# KiCad board JumperlessV5r8.kicad_pcb (continued)
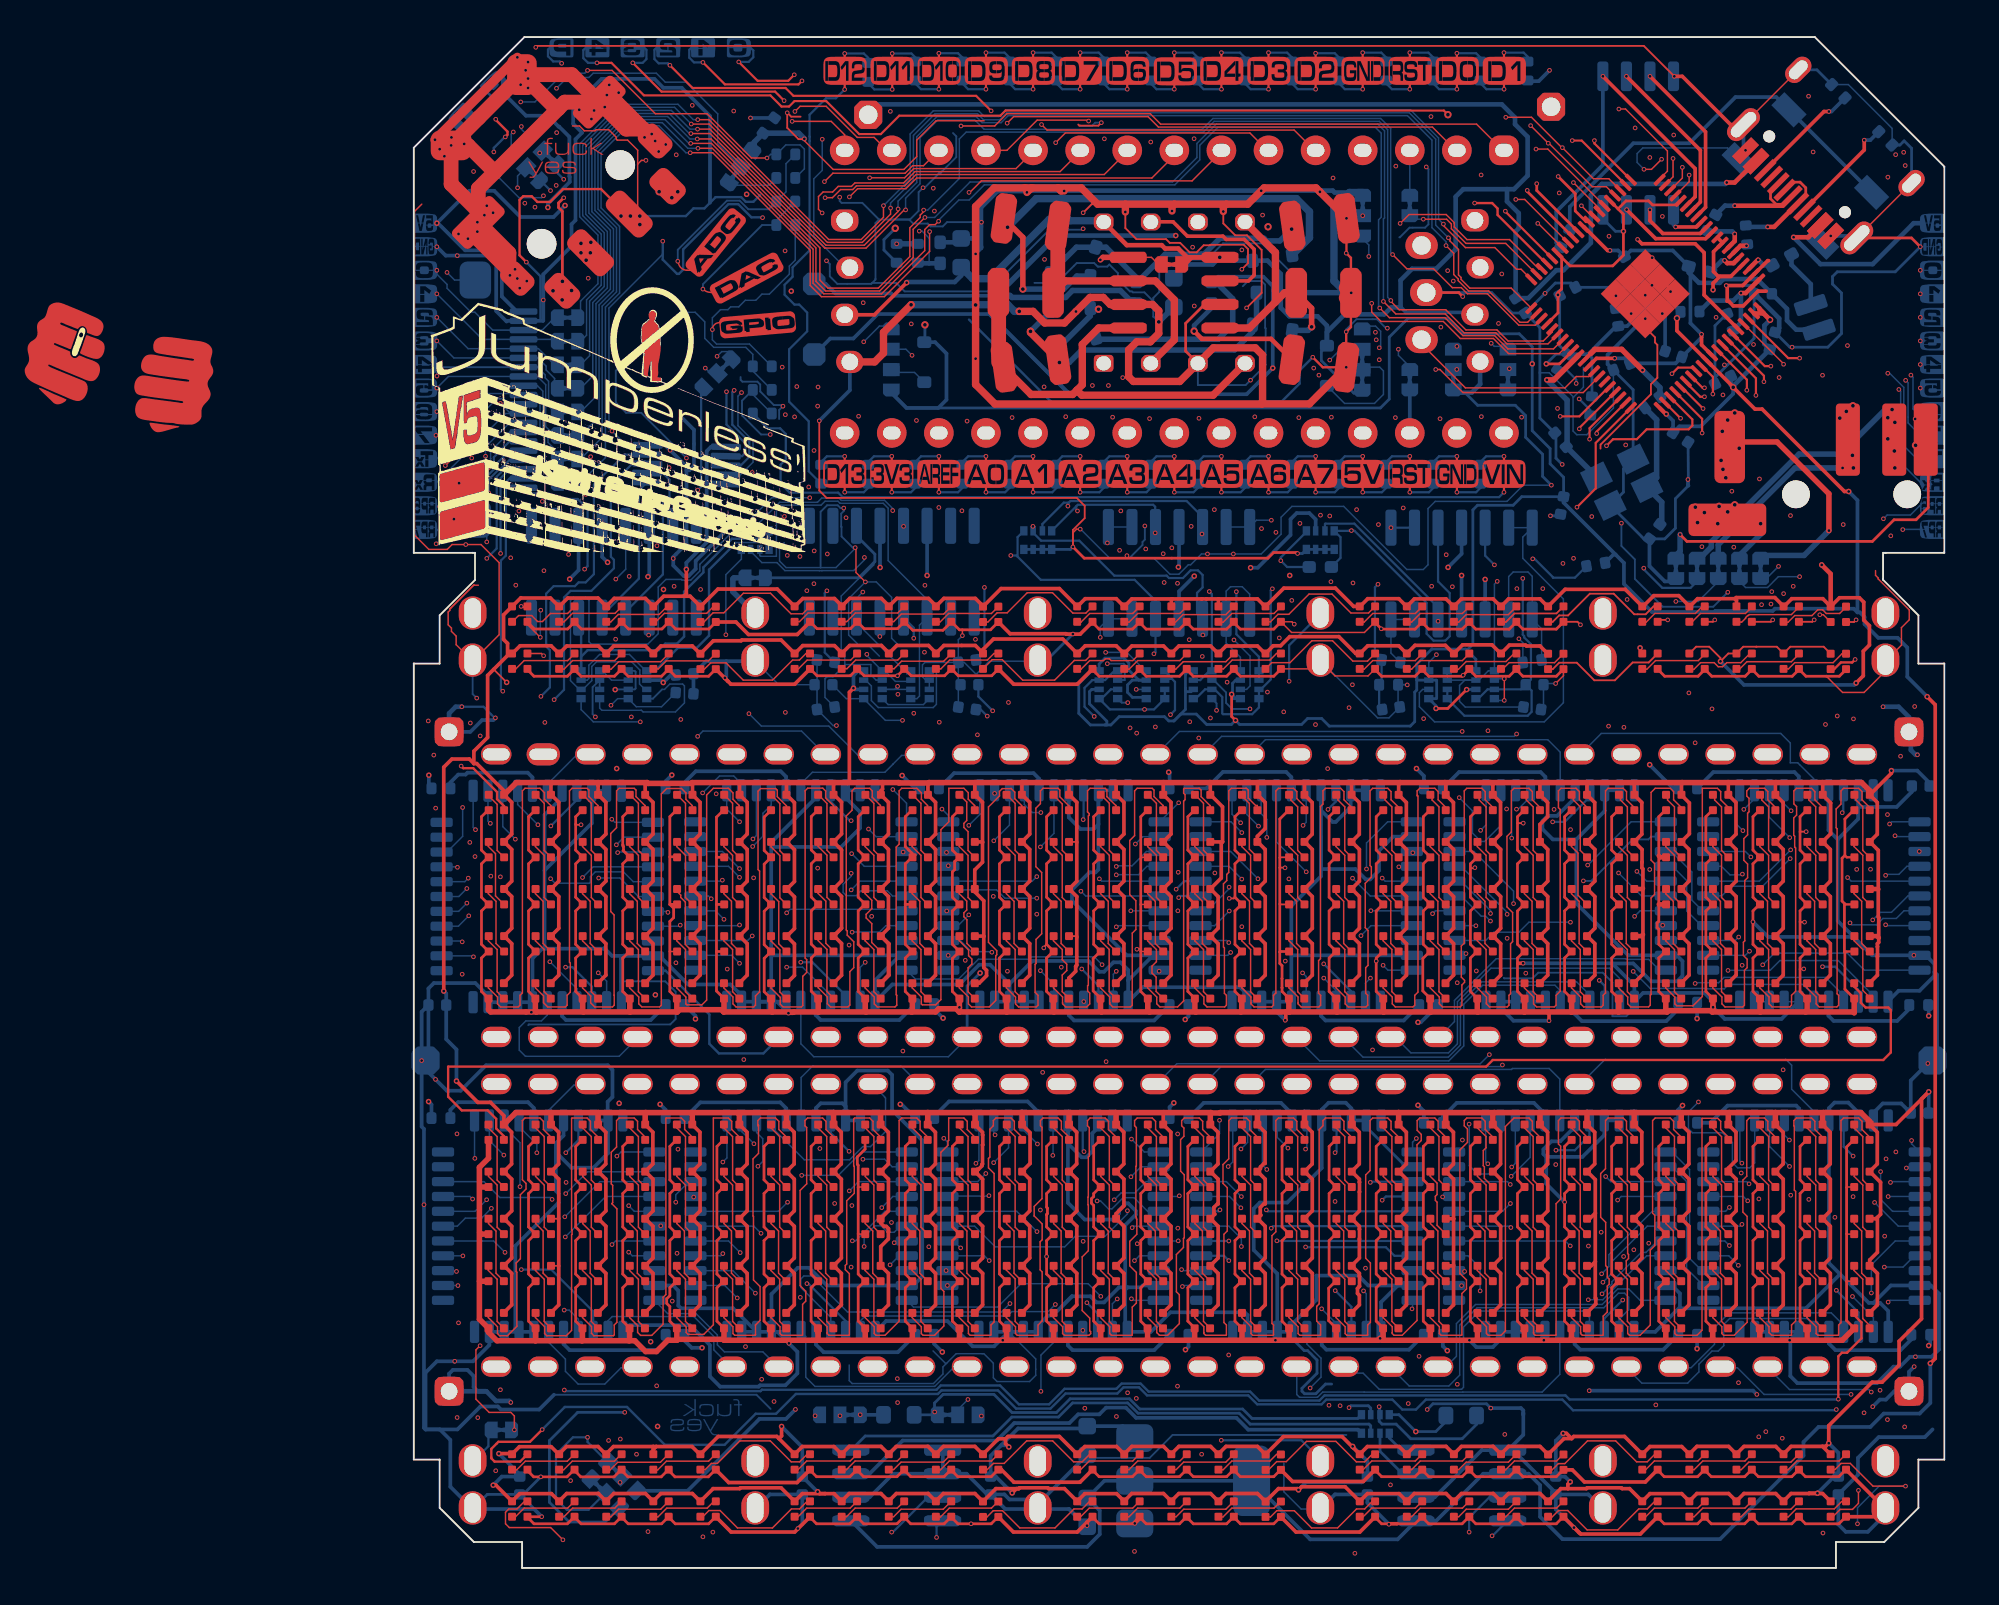
[diagram p0: board, top side]
## Routing (per net, layer and track width the routed paths; a pad name or vN(x,y) marks a point on that pad's centre or on a via; arc(x,y) is an arc through that point) (continued)
Net-(D1641-DOUT): length 3.7
  Top w0.08: 20.57,48.49 20.75,48.49 21.22,48.96 23.56,48.96 23.92,49.31
Net-(D1642-DOUT): length 3.7
  Top w0.08: 26.46,49.31 26.1,48.96 23.83,48.96 23.36,48.49 23.1,48.49 23.09,48.48
Net-(D1643-DOUT): length 3.7
  Top w0.08: 29,49.31 28.58,48.9 26.31,48.9 25.9,48.49 25.64,48.49 25.63,48.48
Net-(D1644-DOUT): length 3.7
  Top w0.08: D1645.4 31.29,49.31 30.94,48.96 28.9,48.96 28.43,48.48 D1644.1
Net-(D1645-DOUT): length 7.2
  Top w0.08: D1645.1 31.2,48.98 31.74,48.98 32.84,47.88 34.57,47.88 35.63,48.94 36.24,48.94 D1646.4
Net-(D1646-DOUT): length 3.8
  Top w0.08: 39.13,49.28 38.78,48.93 37.61,48.93 37.52,49.02 37.3,49.02 37.2,48.93 36.45,48.93 35.99,48.46 35.78,48.46
Net-(D1647-DOUT): length 3.7
  Top w0.08: 38.3,48.45 38.31,48.46 38.58,48.46 39.04,48.93 41.32,48.93 41.67,49.28
Net-(D1648-DOUT): length 3.7
  Top w0.08: 44.21,49.28 43.8,48.87 41.5,48.87 41.1,48.46 40.85,48.46 40.84,48.45
Net-(D1649-DOUT): length 3.7
  Top w0.08: D1650.4 46.53,49.31 46.18,48.96 44.14,48.96 43.67,48.48 D1649.1
Net-(D1650-DOUT): length 7.2
  Top w0.08: D1650.1 46.28,48.82 47.26,48.82 48.44,49.99 49.56,49.99 50.65,48.9 51.44,48.9 D1651.4
Net-(D1651-DOUT): length 3.7
  Top w0.08: 54.37,49.28 54.02,48.93 51.72,48.93 51.26,48.46 51.02,48.46
Net-(D1652-DOUT): length 3.7
  Top w0.08: 56.91,49.28 56.56,48.93 54.28,48.93 53.82,48.46 53.55,48.46 53.54,48.45
Net-(D1653-DOUT): length 3.7
  Top w0.08: 56.08,48.45 56.34,48.45 56.76,48.88 58.91,48.88 59.32,49.28 59.45,49.28
Net-(D1654-DOUT): length 3.7
  Top w0.08: D1655.4 61.53,48.82 59.08,48.82 58.74,48.48 D1654.1
Net-(D1655-DOUT): length 7
  Top w0.1: D1656.4 66.61,48.83 65.74,48.83 64.78,47.87 63.67,47.87 62.73,48.81 61.78,48.81 61.43,48.47 D1655.1
Net-(D1656-DOUT): length 3.7
  Top w0.08: 66.29,48.46 66.51,48.46 66.97,48.93 69.28,48.93 69.64,49.28
Net-(D1657-DOUT): length 3.9
  Top w0.08: 68.81,48.45 69.04,48.45 69.4,48.82 70.14,48.82 70.36,48.6 70.6,48.6 70.82,48.82 71.57,48.82 72.04,49.28 72.18,49.28
Net-(D1658-DOUT): length 3.7
  Top w0.08: 74.72,49.28 74.3,48.87 71.91,48.87 71.5,48.46 71.36,48.46 71.35,48.45
Net-(D1659-DOUT): length 3.7
  Top w0.08: D1660.4 77.04,49.3 76.55,48.82 74.48,48.82 74.15,48.48 D1659.1
Net-(D1660-DOUT): length 124.6
  Top w0.08: 5.96,6.12 6.11,6.12 ; D1711.4 5.97,6.13
  Top w0.13: v1(6.93,7.46) 6.27,6.8 4.57,6.8 4.18,6.42 4.18,5.91 4.36,5.73 5.73,5.73 D1711.4 ; v1(77.74,48.99) 77.58,48.83 76.97,48.83 76.61,48.47 D1660.1
  In2.Cu w0.13: v1(77.74,48.99) 77.08,48.33 77.08,42.31 77.44,41.95 77.44,37.58 77.62,37.4 77.62,35.04 77.74,34.93 77.74,30.31 77.06,29.63 77.06,24.98 77.92,24.12 77.92,19.73 77.01,18.82 77.01,12.02 76.73,11.74 76.73,9.89 77.14,9.49 77.14,8.95 v1(76.73,8.54)
  Bottom w0.13: v1(6.93,7.46) 8.15,8.68 11.5,8.68 13.54,6.64 16.76,6.64 18.44,8.31 19.54,8.31 20.61,9.38 28.27,9.38 28.46,9.57 31.51,9.57 32.49,8.59 34.34,8.59 35.15,9.4 37.95,9.4 38.28,9.74 39.12,9.74 39.55,9.3 45.01,9.3 45.49,8.82 48.96,8.82 49.22,9.08 52.78,9.08 53.31,8.54 54.05,8.54 54.59,9.08 61.95,9.08 62.53,8.5 76.69,8.5 v1(76.73,8.54)
Net-(D1711-DOUT): length 3.7
  Top w0.08: 8.64,6.11 8.28,5.76 6.02,5.76 5.55,5.29 5.28,5.29
Net-(D1712-DOUT): length 3.7
  Top w0.08: 11.18,6.11 10.82,5.76 8.55,5.76 8.08,5.29 7.82,5.29 7.81,5.28
Net-(D1713-DOUT): length 3.7
  Top w0.08: 10.35,5.28 10.36,5.29 10.59,5.29 11,5.7 13.3,5.7 13.72,6.11
Net-(D1714-DOUT): length 3.7
  Top w0.08: 12.89,5.28 13.15,5.28 13.63,5.76 15.9,5.76 16.26,6.11
Net-(D1715-DOUT): length 7.2
  Top w0.08: D1716.4 21.22,6.13 20.81,5.72 20.36,5.72 19.23,6.85 17.59,6.85 16.37,5.64 16.05,5.64 15.71,5.3 D1715.1
Net-(D1716-DOUT): length 3.7
  Top w0.08: 23.89,6.12 23.54,5.77 21.19,5.77 20.73,5.3 D1716.1
Net-(D1717-DOUT): length 3.7
  Top w0.08: 23.06,5.29 23.07,5.3 23.34,5.3 23.8,5.77 26.08,5.77 26.43,6.12
Net-(D1718-DOUT): length 3.7
  Top w0.08: 28.97,6.12 28.56,5.71 26.28,5.71 25.88,5.3 25.61,5.3 25.6,5.29
Net-(D1719-DOUT): length 3.7
  Top w0.08: 31.51,6.12 31.16,5.77 28.88,5.77 28.41,5.29 28.14,5.29
Net-(D1720-DOUT): length 7.2
  Top w0.08: D1720.1 30.93,5.3 31.26,5.64 31.84,5.64 33.06,6.85 34.46,6.85 35.59,5.72 36.05,5.72 36.46,6.13 D1721.4
Net-(D1721-DOUT): length 3.7
  Top w0.08: 39.13,6.12 38.78,5.77 36.43,5.77 35.97,5.3 D1721.1
Net-(D1722-DOUT): length 3.7
  Top w0.08: 38.3,5.29 38.31,5.3 38.58,5.3 39.04,5.77 41.32,5.77 41.67,6.12
Net-(D1723-DOUT): length 3.7
  Top w0.08: 44.21,6.12 43.8,5.71 41.52,5.71 41.12,5.3 40.85,5.3 40.84,5.29
Net-(D1724-DOUT): length 3.7
  Top w0.08: 43.38,5.29 43.65,5.29 44.12,5.76 46.18,5.76 46.53,6.12 46.75,6.12
Net-(D1725-DOUT): length 7.2
  Top w0.08: D1725.1 46.1,5.29 46.54,5.73 47.06,5.73 48.15,6.82 49.73,6.82 50.84,5.72 51.29,5.72 51.7,6.13 D1726.4
Net-(D1726-DOUT): length 3.7
  Top w0.08: 54.37,6.12 54.02,5.77 51.67,5.77 51.21,5.3 D1726.1
Net-(D1727-DOUT): length 3.7
  Top w0.08: 53.54,5.29 53.55,5.3 53.82,5.3 54.28,5.77 56.56,5.77 56.91,6.12
Net-(D1728-DOUT): length 3.7
  Top w0.08: 59.45,6.12 59.04,5.71 56.76,5.71 56.36,5.3 56.09,5.3 56.08,5.29
Net-(D1729-DOUT): length 3.7
  Top w0.08: 61.99,6.12 61.64,5.77 59.36,5.77 58.89,5.29 58.62,5.29
Net-(D1730-DOUT): length 7.2
  Top w0.08: D1731.4 66.94,6.13 66.53,5.72 65.96,5.72 64.83,6.85 63.31,6.85 62.08,5.62 61.73,5.62 61.4,5.29 D1730.1
Net-(D1731-DOUT): length 3.7
  Top w0.08: 69.61,6.12 69.26,5.77 66.91,5.77 66.45,5.3 D1731.1
Net-(D1732-DOUT): length 3.7
  Top w0.08: 68.78,5.29 68.79,5.3 69.06,5.3 69.52,5.77 71.8,5.77 72.15,6.12
Net-(D1733-DOUT): length 3.7
  Top w0.08: 74.69,6.12 74.28,5.71 72,5.71 71.6,5.3 71.33,5.3 71.32,5.29
Net-(D1734-DOUT): length 3.7
  Top w0.08: 73.86,5.29 74.13,5.29 74.6,5.77 76.88,5.77 77.23,6.12
Net-(D1735-DOUT): length 89
  Top w0.08: D1735.1 76.65,5.3 76.98,5.64 77.48,5.64 78.7,4.41 v1(80.46,4.41) ; D1736.4 5.98,3.59 5.57,3.18 5.13,3.18 4.95,3 4.95,2.38 5.15,2.18 7.38,2.18 v1(8.04,1.52)
  In1.Cu w0.08: v1(80.46,4.41) 80.46,2.88 79.74,2.16 78.09,2.16 v1(77.87,2.38) 75.56,2.38 74.46,1.29 8.27,1.29 v1(8.04,1.52)
  Bottom w0.08: v1(77.87,2.38) 77.87,3.24 79.04,4.41 v1(80.46,4.41)
Net-(D1736-DOUT): length 3.7
  Top w0.08: 8.65,3.58 8.3,3.23 5.95,3.23 5.49,2.76 D1736.1
Net-(D1737-DOUT): length 3.7
  Top w0.08: 7.82,2.75 7.83,2.76 8.1,2.76 8.56,3.23 10.84,3.23 11.19,3.58
Net-(D1738-DOUT): length 3.7
  Top w0.08: 13.73,3.58 13.32,3.17 11.04,3.17 10.64,2.76 10.37,2.76 10.36,2.75
Net-(D1739-DOUT): length 3.7
  Top w0.08: 12.9,2.75 13.17,2.75 13.64,3.23 15.83,3.23 16.18,3.58 16.27,3.58
Net-(D1740-DOUT): length 7
  Top w0.08: D1740.1 15.59,2.76 15.92,3.09 16.52,3.09 17.46,2.16 19.34,2.16 20.37,3.18 20.81,3.18 21.22,3.59 D1741.4
Net-(D1741-DOUT): length 3.7
  Top w0.08: D1741.1 20.73,2.76 21.19,3.23 23.54,3.23 23.89,3.58
Net-(D1742-DOUT): length 3.7
  Top w0.08: 23.06,2.75 23.07,2.76 23.34,2.76 23.8,3.23 26.08,3.23 26.43,3.58
Net-(D1743-DOUT): length 3.7
  Top w0.08: 25.6,2.75 25.61,2.76 25.88,2.76 26.28,3.17 28.56,3.17 28.97,3.58
Net-(D1744-DOUT): length 3.7
  Top w0.08: 28.14,2.75 28.41,2.75 28.88,3.23 31.16,3.23 31.51,3.58
Net-(D1745-DOUT): length 7
  Top w0.08: D1745.1 30.92,2.75 31.25,3.08 31.76,3.08 32.69,2.16 34.58,2.16 35.61,3.18 36.05,3.18 36.46,3.59 D1746.4
Net-(D1746-DOUT): length 3.7
  Top w0.08: D1746.1 35.97,2.76 36.43,3.23 38.78,3.23 39.13,3.58
Net-(D1747-DOUT): length 3.7
  Top w0.08: 38.3,2.75 38.31,2.76 38.58,2.76 39.04,3.23 41.32,3.23 41.67,3.58
Net-(D1748-DOUT): length 3.7
  Top w0.08: 40.84,2.75 40.85,2.76 41.12,2.76 41.52,3.17 43.8,3.17 44.21,3.58
Net-(D1749-DOUT): length 3.7
  Top w0.08: 43.38,2.75 43.65,2.75 44.12,3.23 46.4,3.23 46.75,3.58
Net-(D1750-DOUT): length 7
  Top w0.08: D1751.4 51.7,3.59 51.29,3.18 50.85,3.18 49.82,2.16 48.42,2.16 47.5,3.08 46.54,3.08 46.21,2.75 D1750.1
Net-(D1751-DOUT): length 3.7
  Top w0.08: D1751.1 51.21,2.76 51.67,3.23 54.02,3.23 54.37,3.58
Net-(D1752-DOUT): length 3.7
  Top w0.08: 53.54,2.75 53.55,2.76 53.82,2.76 54.28,3.23 56.56,3.23 56.91,3.58
Net-(D1753-DOUT): length 3.7
  Top w0.08: 56.08,2.75 56.09,2.76 56.36,2.76 56.76,3.17 59.04,3.17 59.45,3.58
Net-(D1754-DOUT): length 3.7
  Top w0.08: 61.99,3.58 61.64,3.23 59.36,3.23 58.89,2.75 58.62,2.75
Net-(D1755-DOUT): length 7.1
  Top w0.08: D1755.1 61.41,2.76 61.74,3.09 62.24,3.09 63.29,2.05 64.94,2.05 66.07,3.18 66.53,3.18 66.94,3.59 D1756.4
Net-(D1756-DOUT): length 3.7
  Top w0.08: 69.61,3.58 69.26,3.23 66.91,3.23 66.45,2.76 D1756.1
Net-(D1757-DOUT): length 3.7
  Top w0.08: 68.78,2.75 68.79,2.76 69.06,2.76 69.52,3.23 71.8,3.23 72.15,3.58
Net-(D1758-DOUT): length 3.7
  Top w0.08: 71.32,2.75 71.33,2.76 71.6,2.76 72,3.17 74.28,3.17 74.69,3.58
Net-(D1759-DOUT): length 3.7
  Top w0.08: 73.86,2.75 74.13,2.75 74.56,3.18 76.62,3.18 77.01,3.58 77.23,3.58
Net-(D1760-DOUT): length 96.3
  Top w0.08: v1(77.92,4.18) 77.92,3.48 77.6,3.16 76.94,3.16 76.54,2.76 D1760.1
  In2.Cu w0.08: v1(77.92,4.18) 77.92,7.31 79.35,8.74 79.35,10.17 79.71,10.52 79.71,12.48 80.07,12.85 80.06,12.86 80.06,21.84 80.2,21.98 80.2,40.95 79.76,41.39 79.76,41.64 79.22,42.17 79.22,44.18 78.08,45.32 78.08,49.46 78.44,49.82 78.44,50.38 78.13,50.68 78.13,63.38 76.1,65.42 76.1,77.5 72.06,81.53 64.08,81.53 TP20.1
Net-(I1-X11): length 43.8
  In1.Cu w0.08: v1(37.89,34.57) 37.88,34.56 23.49,34.56 23.32,34.39 23.32,33.74 v1(23.48,33.59)
  In2.Cu w0.08: v1(23.48,33.59) 23.61,33.46 23.61,22.97 23.21,22.57 23.21,12.61 23.53,12.29 23.53,8.75 v1(22.99,8.2)
  Bottom w0.08: I1.8 37.95,34.63 v1(37.89,34.57)
Net-(J2-CC1): length 6.1
  Top w0.2: v1(78.23,76.99) 78.23,76.46 J2.A5
  Bottom w0.2: v1(78.23,76.99) 78.56,76.99 R25.1
Net-(J2-CC2): length 5.9
  Top w0.2: J2.B5 76.06,78.54 v1(76.33,78.54)
  Bottom w0.2: R28.1 76.46,78.54 v1(76.33,78.54)
Net-(J3-R1): length 9
  Top w0.3: v3(72.64,56.31) 72.16,56.79 71.02,56.79 v3(70.87,56.95)
  Bottom w0.3: 70.23,56.95 70.23,56.41 v3(70.33,56.31) 70.33,57.17 v3(70.41,57.24) ; 70.23,56.95 v3(70.87,56.95) v3(71.25,57.33) ; 70.23,56.95 69.65,56.95 v3(69.61,56.91) ; JP16.2 72.64,55.74 v3(72.64,56.31) ; v3(69.12,57.2) 69.41,56.91 v3(69.61,56.91) ; v3(69.61,56.91) 69.61,56.74 v3(69.24,56.37)
Net-(J3-R2): length 14.5
  Top w0.3: 77.34,62.15 77.34,60.62 77.35,60.62 77.35,59.48
  Bottom w0.08: v3(77.6,59.99) 77.6,59.37 v3(77.65,59.32) v1(77.06,59.32) ; v3(77.62,62.67) 77.58,62.67 v3(76.91,62)
  Bottom w0.3: JP15.2 70.36,55.18 74.5,59.32 v3(77.65,59.32)
  vias: v3(77.27,62.36)
Net-(J3-R3): length 23.1
  Top w0.3: 79.85,60.62 79.85,61.74 v3(79.88,61.77) 79.88,60.26 v3(79.86,60.23) 79.86,60.61 79.85,60.62 ; 79.85,60.62 79.88,60.58 v3(79.88,59.32) ; 79.85,60.62 79.77,60.62 v3(79.5,60.88)
  Bottom w0.3: v3(79.73,62.47) 79.36,62.47 76.96,60.06 74.71,60.06 69.98,55.34 69.98,55.06 69.52,54.6 JP14.2 ; v3(79.73,62.47) 79.88,62.32 v3(79.88,61.77) 79.76,61.77 v3(79.5,62.03) 79.73,62.26 v3(79.73,62.47) ; v3(79.88,59.32) 79.5,59.7 v3(79.5,60.88) 79.86,60.53 v3(79.86,60.23)
Net-(J3-S): length 23.4
  Top w0.08: 81.58,61.12 81.58,60.88 J3.1 81.53,60.87 81.48,60.87 81.48,61.45 v1(80.98,61.96) 80.98,60.56 v3(81,60.54) 81.58,61.12
  Top w0.15: J3.1 81.69,60.71 81.69,57.18 81.03,56.52 79.84,56.52 78.67,55.35 68.67,55.35 v1(68.3,55.72)
  Top w0.3: 81.55,60.06 81.69,59.92
  Bottom w0.3: v1(68.3,55.72) 68.3,54.83 JP13.2
Net-(J3-T): length 24.1
  Top w0.3: 70.98,60.72 73.53,60.72 76.33,57.92 v1(76.33,55.94) ; 70.98,60.72 71.15,60.72 v3(71.49,60.38) ; 70.98,60.72 70.87,60.83 v3(70.87,61.9) ; 70.98,60.72 70.98,59.6 v3(70.61,59.24)
  In2.Cu w0.3: v3(70.51,59.72) 70.51,59.34 v3(70.61,59.24)
  Bottom w0.3: v1(76.33,55.94) 74.99,54.6 JP17.2 ; v3(71.25,62.28) 71.49,62.04 v3(71.49,60.38) v3(70.58,61.29) 70.87,61.58 v3(70.87,61.9) 70.54,61.57 70.54,59.32 v3(70.61,59.24) 70.61,58.94 v3(70.76,58.78)
Net-(J6-X11): length 19.1
  In1.Cu w0.08: v1(38.97,9.14) 38.85,9.02 29.95,9.02 v1(29.89,9.08)
  In2.Cu w0.08: v1(38.87,16.57) 39.01,16.43 39.01,9.18 v1(38.97,9.14)
  Bottom w0.08: J6.8 39.13,16.83 v1(38.87,16.57) ; v1(29.89,9.08) 29.34,8.53 JP6.2
Net-(J12-Pin_1): length 135.8
  In1.Cu w0.2: v1(80.41,7.61) 79.42,7.61 79.32,7.7 51.51,7.7 51.35,7.86 20.77,7.86 20.35,8.28 11.7,8.28 11.4,7.98 4.04,7.98 2.5,9.53 J15.1
  In1.Cu w0.25: v1(5.23,8.92) 5.23,8.89 6.15,7.98
  In2.Cu w0.2: v1(80.41,7.61) 81.08,7.61 81.79,8.31 81.79,10.4 81.36,10.83 81.36,38.33 81.53,38.5 81.53,44.2 J12.1
  In2.Cu w0.25: v1(81.1,43.85) 81.28,43.67 81.53,43.67 ; 81.53,43.67 81.53,44.16 v1(79.25,46.44) ; 81.53,43.67 81.53,43.37
  Bottom w0.2: J15.1 1.91,10.47 2.11,10.68 2.9,10.68 3.23,10.35 3.23,9.75 3.45,9.53
  Bottom w0.25: 3.91,9.53 4.43,9 5.15,9 v1(5.23,8.92) ; 3.91,9.53 3.45,9.53 ; 3.91,9.53 J15.1 ; v1(79.25,46.44) 80.09,46.44 80.65,45.88 J12.1 80.75,44.98 80.75,44.1 81,43.85 v1(81.1,43.85)
Net-(J13-Pin_1): length 97.3
  In1.Cu w0.12: v1(80.92,10.85) 80.44,10.85 79.48,9.89 79.48,9.48 v1(78.69,8.69)
  In1.Cu w0.2: v1(75.23,79.36) 74.71,79.36 72.35,81.72 62.22,81.72 v1(61.26,80.76)
  In2.Cu w0.13: 78.35,51.19 78.35,50.76 78.65,50.46 78.65,49.74 78.35,49.44 78.35,49.33
  In2.Cu w0.2: 78.35,51.19 78.35,71.28 78.9,71.83 78.9,75.51 75.23,79.18 v1(75.23,79.36) ; 80.59,11.11 80.84,10.85 v1(80.92,10.85) ; 80.59,11.11 80.59,21.19 80.83,21.43 80.83,22.15 80.46,22.52 80.46,42.81 79.45,43.81 79.45,44.33 78.35,45.43 78.35,49.33 ; 80.59,11.11 80.59,9.58 J13.1
  Bottom w0.2: v1(78.69,8.69) 79.07,9.08 79.4,9.08 79.85,9.53 J13.1 80.65,10.57 v1(80.92,10.85) ; R31.1 60.11,80.17 60.67,80.17 v1(61.26,80.76)
Net-(J1711-Pin_1): length 3.8
  Top w0.12: 23.24,58.24 v1(23.24,58.01) ; v1(23.24,59.94) 23.24,59.64
  Bottom w0.12: v1(23.24,58.01) 24.28,58.01 24.51,58.24 R40.1 ; v1(23.24,59.94) 22.28,59.94 21.97,59.64 21.97,59.41
Net-(J1711-Pin_2): length 3.8
  Top w0.12: 25.78,58.24 v1(25.78,58.01) ; v1(25.78,59.94) 25.78,59.64
  Bottom w0.12: 27.05,58.47 27.05,58.24 26.82,58.01 v1(25.78,58.01) ; v1(25.78,59.94) 24.82,59.94 24.51,59.64 24.51,59.41
Net-(J1711-Pin_3): length 3.8
  Top w0.12: v1(28.32,59.94) 28.32,59.64 ; 28.32,58.24 v1(28.32,58.01)
  Bottom w0.12: 27.05,59.41 27.05,59.64 27.36,59.94 v1(28.32,59.94) ; 29.59,58.47 29.59,58.24 29.36,58.01 v1(28.32,58.01)
Net-(J1711-Pin_4): length 3.8
  Top w0.12: 30.86,58.24 v1(30.86,58.01) ; v1(30.86,59.94) 30.86,59.64
  Bottom w0.12: 32.13,58.47 32.13,58.24 31.9,58.01 v1(30.86,58.01) ; v1(30.86,59.94) 29.9,59.94 29.59,59.64 29.59,59.41
Net-(J1711-Pin_5): length 3.8
  Top w0.12: v1(33.4,59.94) 33.4,59.64 ; 33.4,58.24 v1(33.4,58.01)
  Bottom w0.12: v1(33.4,59.94) 32.44,59.94 32.13,59.64 32.13,59.41 ; 34.67,58.47 34.67,58.24 34.44,58.01 v1(33.4,58.01)
Net-(J1711-Pin_6): length 3.8
  Top w0.12: 35.94,58.24 v1(35.94,58.01) ; v1(35.94,59.94) 35.94,59.64
  Bottom w0.12: 37.21,58.47 37.21,58.24 36.98,58.01 v1(35.94,58.01) ; v1(35.94,59.94) 34.98,59.94 34.67,59.64 34.67,59.41
Net-(J1711-Pin_7): length 3.8
  Top w0.12: 38.48,58.24 v1(38.48,58.01) ; v1(38.48,59.94) 38.48,59.64
  Bottom w0.12: v1(38.48,59.94) 37.52,59.94 37.21,59.64 37.21,59.41 ; v1(38.48,58.01) 39.52,58.01 39.75,58.24 39.75,58.47
Net-(J1711-Pin_8): length 3.8
  Top w0.12: 41.02,58.24 v1(41.02,58.01) ; v1(41.02,59.94) 41.02,59.64
  Bottom w0.12: 39.75,59.41 39.75,59.64 40.06,59.94 v1(41.02,59.94) ; 42.29,58.47 42.29,58.24 42.06,58.01 v1(41.02,58.01)
Net-(J1711-Pin_9): length 3.8
  Top w0.12: 43.56,58.24 v1(43.56,58.01) ; v1(43.56,59.94) 43.56,59.64
  Bottom w0.12: v1(43.56,59.94) 42.6,59.94 42.29,59.64 42.29,59.41 ; v1(43.56,58.01) 44.6,58.01 44.83,58.24 44.83,58.47
Net-(J1711-Pin_10): length 3.8
  Top w0.12: v1(46.1,59.94) 46.1,59.64 ; 46.1,58.24 v1(46.1,58.01)
  Bottom w0.12: v1(46.1,58.01) 47.14,58.01 47.37,58.24 47.37,58.47 ; 44.83,59.41 44.83,59.64 45.14,59.94 v1(46.1,59.94)
Net-(J1711-Pin_11): length 3.8
  Top w0.12: 48.64,58.24 v1(48.64,58.01) ; v1(48.64,59.94) 48.64,59.64
  Bottom w0.12: v1(48.64,59.94) 47.68,59.94 47.37,59.64 47.37,59.41 ; 49.91,58.47 49.91,58.24 49.68,58.01 v1(48.64,58.01)
Net-(J1711-Pin_12): length 3.8
  Top w0.12: 51.18,58.24 v1(51.18,58.01) ; v1(51.18,59.94) 51.18,59.64
  Bottom w0.12: 52.45,58.47 52.45,58.24 52.22,58.01 v1(51.18,58.01) ; 49.91,59.41 49.91,59.64 50.22,59.94 v1(51.18,59.94)
Net-(J1711-Pin_13): length 3.8
  Top w0.12: v1(53.72,59.94) 53.72,59.64 ; 53.72,58.24 v1(53.72,58.01)
  Bottom w0.12: 52.45,59.41 52.45,59.64 52.76,59.94 v1(53.72,59.94) ; v1(53.72,58.01) 54.76,58.01 54.99,58.24 54.99,58.47
Net-(J1711-Pin_14): length 3.8
  Top w0.12: 56.26,58.24 v1(56.26,58.01) ; v1(56.26,59.94) 56.26,59.64
  Bottom w0.12: 54.99,59.41 54.99,59.64 55.3,59.94 v1(56.26,59.94) ; v1(56.26,58.01) 57.3,58.01 57.53,58.24 57.53,58.47
Net-(J1711-Pin_15): length 46.6
  Top w0.12: 58.8,58.24 v1(58.8,58.01) ; v1(58.8,59.94) 58.8,59.64
  Bottom w0.12: R38.1 19.09,61.45 19.76,61.45 20.07,61.15 20.07,59.77 19.79,59.49 19.79,58.47 20.27,57.99 22.89,57.99 23.13,57.74 58.54,57.74 v1(58.8,58.01) ; v1(58.8,59.94) 57.84,59.94 57.53,59.64 57.53,59.41
Net-(J1712-Pin_1): length 26.8
  Top w0.12: v1(23.24,79.73) 23.24,80.03 ; 23.24,81.43 v1(23.24,81.67)
  Bottom w0.12: 24.51,81.2 24.51,81.43 24.28,81.67 v1(23.24,81.67) ; R39.1 21.3,59.14 21.3,61.83 20.24,62.89 20.24,65.71 21.22,66.69 21.22,67.69 20.79,68.12 20.53,68.12 20,68.66 20,69.19 20.43,69.62 20.43,70.13 21.35,71.05 21.35,76.94 21.35,76.95 21.35,77.18 21.35,77.19 21.35,78.36 22.23,79.25 22.76,79.25 v1(23.24,79.73)
Net-(J1712-Pin_2): length 3.5
  Top w0.12: 25.81,80.03 v1(25.81,79.73) ; 25.81,81.43 v1(25.81,81.67)
  Bottom w0.12: 24.54,80.03 24.84,79.73 v1(25.81,79.73) ; v1(25.81,81.67) 26.84,81.67 27.08,81.43 27.08,81.2
Net-(J1712-Pin_3): length 3.8
  Top w0.12: v1(28.32,79.74) 28.32,80.05 ; 28.32,81.44 v1(28.32,81.68)
  Bottom w0.12: v1(28.32,79.74) 27.36,79.74 27.05,80.05 27.05,80.27 ; 29.59,81.22 29.59,81.44 29.36,81.68 v1(28.32,81.68)
Net-(J1712-Pin_4): length 3.8
  Top w0.12: 30.86,81.44 v1(30.86,81.71) ; v1(30.86,79.74) 30.86,80.05
  Bottom w0.12: 32.13,81.22 32.13,81.44 31.86,81.71 v1(30.86,81.71) ; v1(30.86,79.74) 29.9,79.74 29.59,80.05 29.59,80.27
Net-(J1712-Pin_5): length 3.8
  Top w0.12: v1(33.4,79.74) 33.4,79.74 33.4,80.05 ; 33.4,81.44 v1(33.4,81.71)
  Bottom w0.12: 34.67,81.22 34.67,81.44 34.4,81.71 v1(33.4,81.71) ; 32.13,80.27 32.13,80.05 32.44,79.74 v1(33.4,79.74)
Net-(J1712-Pin_6): length 3.8
  Top w0.12: v1(35.94,79.74) 35.94,80.05 ; 35.94,81.44 v1(35.94,81.71)
  Bottom w0.12: 34.67,80.27 34.67,80.05 34.98,79.74 v1(35.94,79.74) ; v1(35.94,81.71) 36.94,81.71 37.21,81.44 37.21,81.22
Net-(J1712-Pin_7): length 3.8
  Top w0.12: v1(38.48,79.74) 38.48,79.74 38.48,80.05 ; 38.48,81.44 v1(38.48,81.71)
  Bottom w0.12: v1(38.48,79.74) 37.52,79.74 37.21,80.05 37.21,80.27 ; 39.75,81.22 39.75,81.44 39.48,81.71 v1(38.48,81.71)
Net-(J1712-Pin_8): length 3.8